# KiCad board H3.kicad_pcb (continued)
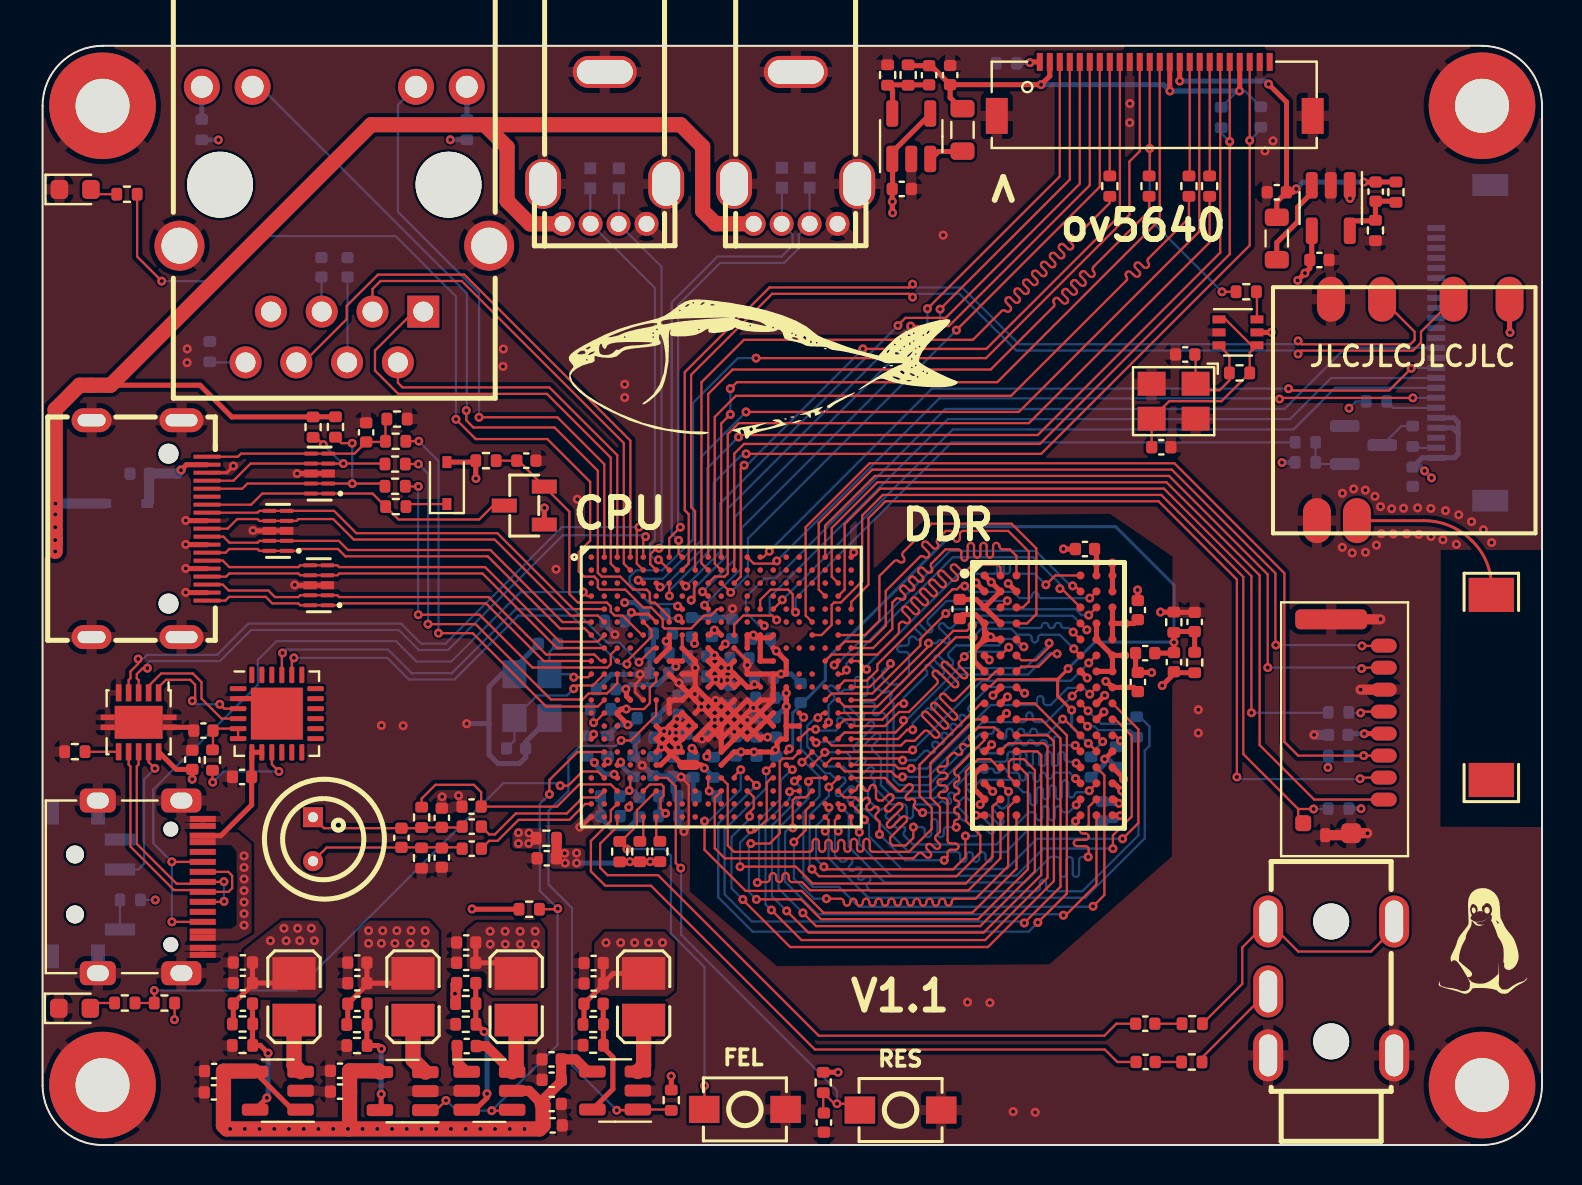
[diagram p0: board, top side]
## Routing (per net, layer and track width the routed paths; a pad name or vN(x,y) marks a point on that pad's centre or on a via; arc(x,y) is an arc through that point) (continued)
  Top w0.114: v1(44.32,25.11) 44.32,24.95 41.63,22.27 U1.M21 ; DU1.D7 v1(52.23,25.78)
  Bottom w0.114: v1(44.32,25.11) 44.7,25.11 44.82,25.22 arc(44.93,25.27) 45.04,25.22 45.1,25.16 arc(45.22,25.12) 45.33,25.16 arc(45.37,25.28) 45.33,25.39 44.88,25.84 arc(44.83,25.95) 44.88,26.07 arc(44.99,26.11) 45.1,26.07 45.27,25.9 arc(45.38,25.85) 45.49,25.9 46.08,26.48 51.53,26.48 v1(52.23,25.78)
/DRAM/SDQ15: length 15.9
  Top w0.114: U1.M19 39.47,22.59 41.5,22.59 43.9,24.99 43.9,25.32 v1(45.18,26.59) ; v1(52.33,26.51) 52.71,26.9 DU1.C8
  Bottom w0.114: v1(52.33,26.51) 51.97,26.51 51.68,26.81 45.39,26.81 v1(45.18,26.59)
/DRAM/SDQM0: length 14.9
  Top w0.114: U1.M20 40.12,21.94 41.76,21.94 43.51,23.68 43.51,23.68 45.55,25.73 46.23,25.73 v1(46.5,26) ; DU1.E7 51.91,25.3 v1(51.55,25.66)
  Bottom w0.114: v1(51.55,25.66) 51.55,25.66 51.34,25.87 51.07,25.87 arc(50.98,25.91) 50.94,26 arc(50.91,26.08) 50.82,26.12 50.75,26.12 arc(50.66,26.08) 50.63,26 arc(50.59,25.91) 50.5,25.87 50.43,25.87 arc(50.35,25.91) 50.31,26 arc(50.27,26.08) 50.19,26.12 50.12,26.12 arc(50.03,26.08) 49.99,26 arc(49.96,25.91) 49.87,25.87 48.88,25.87 48.6,26.15 46.66,26.15 v1(46.5,26)
/DRAM/SDQM1: length 18.9
  Top w0.114: U1.G20 41.14,25.52 41.85,26.23 41.85,28.47 42.59,29.21 arc(42.71,29.26) 42.82,29.21 42.84,29.19 arc(42.95,29.14) 43.07,29.19 arc(43.11,29.3) 43.07,29.41 43.04,29.44 arc(43,29.55) 43.04,29.66 44.47,31.09 48.47,31.09 49.71,29.85 49.71,26.56 49.24,26.1 DU1.D3
/DRAM/SDQS0_N: length 15
  Top w0.114: DU1.G3 48.95,23.94 49.82,23.94 50.46,24.58 v1(50.74,24.58) ; v1(43.52,20.78) 43.24,20.78 42.78,20.32 U1.R21
  Bottom w0.114: 50.72,24.62 50.37,24.62 49.3,23.54 45.95,23.54 44.64,22.23 arc(44.6,22.13) 44.64,22.04 arc(44.68,21.94) 44.64,21.84 44.61,21.81 arc(44.51,21.77) 44.41,21.81 arc(44.33,21.85) 44.25,21.84 43.52,21.12 v1(43.52,20.78)
/DRAM/SDQS0_P: length 14.9
  Top w0.114: DU1.F3 48.95,24.26 49.69,24.26 50.35,24.91 v1(50.35,25.11) ; U1.R20 40.12,20.64 42.66,20.64 43.06,21.05 v1(43.06,21.25)
  Bottom w0.114: v1(50.35,25.11) 50.35,25.05 49.16,23.86 45.82,23.86 43.21,21.25 v1(43.06,21.25)
/DRAM/SDQS1_N: length 15.8
  Top w0.114: DU1.B7 51.63,27.98 v1(51.52,27.98) ; U1.J20 39.6,24.02 v1(39.6,24.02)
  Bottom w0.114: v1(39.6,24.02) 39.69,24.02 45.4,29.73 49.67,29.73 51.42,27.98 v1(51.52,27.98)
/DRAM/SDQS1_P: length 15.9
  Top w0.114: v1(50.88,27.84) 50.97,27.84 DU1.C7 ; v1(40.21,23.77) 40.01,23.57 U1.K20
  Bottom w0.114: v1(40.21,23.77) 40.21,24.09 45.53,29.41 49.54,29.41 50.88,28.07 v1(50.88,27.84)
/DRAM/SODT0: length 23.9
  Top w0.114: DU1.K1 46.6,21.3 44.89,19.59 44.88,19.59 44.41,19.12 44.41,17.38 44.89,16.91 44.89,15.67 44.69,15.48 arc(44.64,15.36) 44.69,15.25 44.85,15.09 arc(44.9,14.97) 44.85,14.86 arc(44.74,14.82) 44.63,14.86 44.47,15.03 arc(44.35,15.07) 44.24,15.03 arc(44.19,14.91) 44.24,14.8 44.41,14.64 arc(44.45,14.53) 44.41,14.41 arc(44.29,14.37) 44.18,14.41 44.02,14.58 arc(43.9,14.62) 43.79,14.58 43.56,14.34 34.12,14.34 33.62,14.85 33.62,17.38 33.95,17.71 U1.W11
/DRAM/SODT1: length 27.3
  Top w0.114: DU1.J1 46.94,22.1 44.48,19.63 44.47,19.63 43.86,19.03 43.86,17.47 44.48,16.86 44.48,15.81 43.33,14.67 41.53,14.67 arc(41.42,14.71) 41.37,14.83 41.37,15.16 arc(41.33,15.27) 41.21,15.32 arc(41.1,15.27) 41.06,15.16 41.06,14.83 arc(41.01,14.71) 40.9,14.67 arc(40.78,14.71) 40.74,14.83 40.74,15.16 arc(40.69,15.27) 40.58,15.32 arc(40.47,15.27) 40.42,15.16 40.42,14.83 arc(40.37,14.71) 40.26,14.67 arc(40.15,14.71) 40.1,14.83 40.1,15.11 arc(40.06,15.22) 39.94,15.27 arc(39.83,15.22) 39.79,15.11 39.79,14.83 arc(39.74,14.71) 39.63,14.67 arc(39.51,14.71) 39.47,14.83 39.47,15.11 arc(39.42,15.22) 39.31,15.27 arc(39.2,15.22) 39.15,15.11 39.15,14.83 arc(39.1,14.71) 38.99,14.67 arc(38.88,14.71) 38.83,14.83 38.83,15.16 arc(38.79,15.27) 38.67,15.32 arc(38.56,15.27) 38.52,15.16 38.52,14.83 arc(38.47,14.71) 38.36,14.67 34.59,14.67 34.27,14.98 34.27,18.04 U1.V11
/DRAM/SRAS: length 37
  Top w0.114: v1(49.78,11.14) 51.23,12.59 51.23,20.5 49.63,22.1 DU1.J3 ; v1(35.71,18) 35.34,18.37 U1.V13
  Bottom w0.114: v1(49.78,11.14) 49.32,10.68 35.52,10.68 33.79,12.4 33.79,16.08 v1(35.71,18)
/DRAM/SRST: length 23.2
  Top w0.114: v1(35.75,13.13) 35.78,13.16 36.21,13.16 arc(36.33,13.2) 36.37,13.32 36.37,13.45 arc(36.42,13.56) 36.53,13.61 arc(36.64,13.56) 36.69,13.45 36.69,13.32 arc(36.74,13.2) 36.85,13.16 arc(36.96,13.2) 37.01,13.32 37.01,13.45 arc(37.05,13.56) 37.17,13.61 arc(37.28,13.56) 37.32,13.45 37.32,13.32 arc(37.37,13.2) 37.48,13.16 37.98,13.16 38.39,12.74 46.31,12.74 47.36,13.79 47.36,13.79 47.91,14.35 DU1.T2 ; v1(37.5,18.78) 37.43,18.78 U1.U16
  Bottom w0.114: v1(35.75,13.13) 35.84,13.22 35.84,16.26 36.92,17.34 36.92,18.24 37.46,18.78 v1(37.5,18.78)
/DRAM/SVREF: length 48.7
  Top w0.114: DU1.M8 52.32,20.09 v1(52.31,20.09) ; U1.T16 37.2,19.67 v1(37.35,19.82) ; 49.88,23.3 49.88,23.3 47.76,23.3 47.42,22.96 47.17,22.96 DU1.H1
  Top w0.152: 50.77,23.3 49.88,23.3 ; 50.77,23.3 51.29,23.82 v1(51.29,23.83) ; 50.77,23.3 50.77,22.47 v1(51.47,21.77)
  Top w0.254: C2.1 56.56,24.61 C5.2 v1(56.59,25.15) 56.59,25.64 R6.1 56.63,25.69 C6.1 R5.2
  Bottom w0.114: 37.92,22.02 37.84,21.95
  Bottom w0.152: v1(51.47,21.77) 51.47,20.93 v1(52.31,20.09) ; v1(51.29,23.84) 52.62,25.16 56.58,25.16 v1(56.59,25.15) 56.59,28.03 53.67,30.94 45.86,30.94 40.21,25.29 40.2,25.29 39.16,24.25 39.16,23.26 37.52,21.63 37.52,20 37.35,19.82 v1(37.35,19.82)
/DRAM/SWE: length 33.2
  Top w0.114: v1(35.03,12.29) 35.03,12.27 37.39,9.91 47.28,9.91 50.59,13.21 50.59,20.19 50.28,20.5 DU1.L3 ; U1.W13 35.27,17.72 35.57,17.42 35.57,16.86 35.36,16.65 v1(35.36,16.44)
  Bottom w0.114: v1(35.36,16.44) 35.36,16.31 34.46,15.41 34.46,12.85 v1(35.03,12.29)
/PER/CP_D+: length 5.7
  Top w0.114: U6.1 5.8,22.91 6.17,23.28 7.38,23.28 7.63,23.03 7.63,22.37 v1(7.49,22.22) ; U10.3 9.08,21.84 v1(8.86,22.05)
  Bottom w0.114: v1(8.86,22.05) 7.65,22.05 v1(7.49,22.22)
/PER/CP_D-: length 6.5
  Top w0.114: U10.4 8.95,21.34 7.95,22.34 7.95,23.16 7.52,23.59 5.93,23.59 5.3,22.97 U6.2
/PER/D+: length 11.9
  Top w0.114: v1(9.07,13.18) 9.06,13.17 U7.A6 7.92,13.08 6.7,13.08 4.71,15.07 4.71,18.95 4.8,19.04 U6.8 ; v1(9.08,12.19) 9.05,12.17 U7.B6
  Bottom w0.114: v1(9.07,13.18) 9.07,12.2 v1(9.08,12.19)
/PER/D-: length 13.1
  Top w0.114: U6.7 4.3,19.04 4.39,18.95 4.39,14.93 6.57,12.76 7.92,12.76 U7.A7 9.3,12.67 9.48,12.85 9.48,13.47 9.29,13.67 U7.B7
/PER/TFT_IM: length 2.6
  Bottom w0.114: F2.19 67.55,36.89 4.7K1.1
/PER/TFT_LEDK: length 1.2
  Bottom w0.114: R50.2 68.6,34.89 F2.23
/PER/USB_SWITCH: length 7.3
  Top w0.114: U6.9 5.3,19.16 v1(5.62,18.85)
  Bottom w0.114: SW2.2 4.79,13.79 5.07,14.07 5.07,18.3 v1(5.62,18.85)
CSI-RESET#: length 47
  Top w0.114: U1.C6 30.69,28.11 v1(30.89,27.92) ; v1(34.81,35.42) 34.91,35.53 49.78,35.53 58.91,44.65 58.91,54.17 F1.19
  Bottom w0.114: v1(30.89,27.92) 31.09,27.92 33.26,30.09 33.26,33.87 v1(34.81,35.42)
CSI-STBY-EN: length 46.6
  Top w0.114: F1.17 57.86,54.17 57.86,45.71 48.83,36.68 v1(35.19,36.68) ; U1.C5 29.9,28.26 v1(29.79,28.26)
  Bottom w0.114: v1(29.79,28.26) 29.86,28.33 31.03,28.33 32.94,30.24 32.94,34.43 v1(35.19,36.68)
CSI_D0: length 37.3
  Top w0.114: v1(43.42,40.98) 45.33,40.98 52.38,48.02 F1.6 ; v1(32.44,27.26) 32.6,27.42 32.6,28.07 U1.C9
  Bottom w0.114: v1(32.44,27.26) 32.56,27.38 32.56,27.82 34.25,29.51 34.25,31.81 43.41,40.98 v1(43.42,40.98)
CSI_D1: length 35
  Top w0.114: v1(44.89,41.82) 51.38,48.31 F1.4 ; v1(33.11,27.01) 33.11,27 U1.E10
  Bottom w0.114: v1(44.89,41.82) 44.89,40.8 34.96,30.87 34.96,28.86 v1(33.11,27.01)
CSI_D2: length 34.2
  Top w0.114: F1.3 50.88,48.47 v1(44.26,41.85) ; U1.D10 33.08,27.68
  Bottom w0.114: v1(33.01,27.68) 34.62,29.29 34.62,31.41 44.26,41.05 v1(44.26,41.85)
CSI_D3: length 35.8
  Top w0.114: v1(32.18,27.96) 32.15,27.96 U1.C8 ; v1(42.78,41) 42.78,41.01 43.16,41.39 45.17,41.39 51.88,48.1 F1.5
  Bottom w0.114: v1(32.18,27.96) 33.89,29.67 33.89,32.11 v1(42.78,41)
CSI_D4: length 34.9
  Top w0.114: U1.C11 34.41,27.65 v1(34.42,27.65) ; v1(45.71,40.77) 52.88,47.95 F1.7
  Bottom w0.114: v1(45.71,40.77) 35.28,30.35 35.28,28.51 v1(34.42,27.65)
CSI_D5: length 37.8
  Top w0.114: v1(35.09,34.01) 34.92,33.85 34.92,28.44 U1.C12 ; F1.9 53.89,54.19 53.89,46.52 47.2,39.84 v1(41.03,39.84)
  Bottom w0.114: v1(35.09,34.01) 35.22,34.01 41.03,39.82 v1(41.03,39.84)
CSI_D6: length 47.9
  Top w0.114: v1(31.77,26.96) 31.85,26.96 U1.E8 ; F1.11 54.88,49.73 54.36,49.21 54.36,46.55 47.19,39.37 v1(35.69,39.37)
  Bottom w0.114: v1(35.69,39.37) 34.77,39.37 32.54,37.14 32.54,30.3 31,28.76 29.69,28.76 29.36,28.43 29.36,28.11 30.41,27.07 31.67,27.07 v1(31.77,26.96)
CSI_D7: length 41.5
  Top w0.114: U1.A11 33.95,36.1 v1(34.4,36.56) ; v1(34.4,37.84) 34.73,38.17 47.75,38.17 55.88,46.3 F1.13
  Bottom w0.114: v1(34.4,36.56) 34.4,36.56 v1(34.4,37.84)
CSI_HSYNC: length 38.4
  Top w0.114: R57.1 57.34,46.39 55.3,44.35 arc(55.26,44.25) 55.3,44.15 arc(55.34,44.05) 55.3,43.95 55.28,43.93 arc(55.18,43.88) 55.08,43.93 54.88,44.13 arc(54.78,44.17) 54.68,44.13 54.66,44.11 arc(54.62,44) 54.66,43.9 54.86,43.7 arc(54.9,43.6) 54.86,43.5 54.84,43.48 arc(54.74,43.44) 54.64,43.48 54.54,43.58 54.53,43.58 54.43,43.68 arc(54.33,43.72) 54.23,43.68 54.21,43.65 arc(54.16,43.55) 54.21,43.45 arc(54.25,43.35) 54.21,43.25 48.44,37.49 34.67,37.49 33.62,36.43 33.62,29.09 U1.B11
CSI_MCLK: length 38.4
  Top w0.114: R52.1 55.35,46.73 52.56,43.94 arc(52.52,43.83) 52.56,43.72 52.58,43.7 arc(52.63,43.59) 52.58,43.48 arc(52.47,43.43) 52.36,43.48 52.14,43.7 arc(52.06,43.73) 51.97,43.7 51.92,43.65 arc(51.88,43.56) 51.92,43.47 52.14,43.26 arc(52.18,43.14) 52.14,43.03 arc(52.03,42.99) 51.92,43.03 51.7,43.25 arc(51.61,43.29) 51.53,43.25 51.48,43.2 arc(51.44,43.11) 51.48,43.03 51.69,42.81 arc(51.74,42.7) 51.69,42.59 arc(51.58,42.54) 51.47,42.59 51.25,42.81 arc(51.17,42.84) 51.08,42.81 51.03,42.76 arc(51,42.67) 51.03,42.58 51.25,42.37 arc(51.3,42.26) 51.25,42.14 arc(51.14,42.1) 51.03,42.14 50.9,42.28 50.89,42.27 50.81,42.36 arc(50.72,42.4) 50.63,42.36 50.58,42.31 arc(50.55,42.22) 50.58,42.14 arc(50.62,42.05) 50.58,41.97 47.42,38.8 34.51,38.8 33.3,37.59 U1.A10
CSI_PCLK: length 41.6
  Top w0.114: U1.B10 32.96,29.11 32.96,38.17 35.08,40.29 46.53,40.29 47.97,41.73 arc(48.07,41.77) 48.18,41.73 arc(48.28,41.69) 48.38,41.73 48.4,41.75 arc(48.44,41.85) 48.4,41.95 48.3,42.05 48.3,42.06 48.2,42.16 arc(48.15,42.26) 48.2,42.37 48.21,42.38 arc(48.32,42.43) 48.42,42.38 48.62,42.18 arc(48.73,42.13) 48.83,42.18 48.85,42.19 arc(48.89,42.3) 48.85,42.4 48.64,42.61 arc(48.6,42.71) 48.64,42.81 48.66,42.83 arc(48.76,42.87) 48.86,42.83 49.07,42.62 arc(49.17,42.58) 49.27,42.62 49.29,42.64 arc(49.33,42.74) 49.29,42.84 49.09,43.05 arc(49.04,43.15) 49.09,43.25 49.1,43.27 arc(49.21,43.31) 49.31,43.27 49.51,43.07 arc(49.62,43.02) 49.72,43.07 49.74,43.08 arc(49.78,43.19) 49.74,43.29 49.53,43.49 arc(49.49,43.6) 49.53,43.7 49.55,43.72 arc(49.65,43.76) 49.75,43.72 49.96,43.51 arc(50.06,43.47) 50.16,43.51 50.18,43.53 arc(50.22,43.63) 50.18,43.73 49.98,43.94 arc(49.93,44.04) 49.98,44.14 49.99,44.16 arc(50.09,44.2) 50.2,44.16 50.4,43.96 arc(50.51,43.91) 50.61,43.96 50.63,43.97 arc(50.67,44.07) 50.63,44.18 50.42,44.38 arc(50.38,44.49) 50.42,44.59 50.44,44.61 arc(50.54,44.65) 50.64,44.61 50.85,44.4 arc(50.95,44.36) 51.05,44.4 51.07,44.42 arc(51.11,44.52) 51.07,44.62 50.86,44.83 arc(50.82,44.93) 50.86,45.03 50.88,45.05 arc(50.98,45.09) 51.09,45.05 51.29,44.84 arc(51.39,44.8) 51.5,44.84 51.51,44.86 arc(51.56,44.96) 51.51,45.07 51.31,45.27 arc(51.27,45.37) 51.31,45.48 51.33,45.49 arc(51.43,45.54) 51.53,45.49 51.74,45.29 arc(51.84,45.25) 51.94,45.29 51.96,45.31 arc(52,45.41) 51.96,45.51 arc(51.92,45.61) 51.96,45.72 53.38,47.14 R53.1
CSI_SCK: length 45.2
  Top w0.114: F1.20 v1(59.38,50.21) 59.38,44.58 49.88,35.08 35.08,35.08 34.6,34.59 U1.B12
  Bottom w0.114: v1(59.38,50.21) 58.95,50.63 R55.2
CSI_SDA: length 49
  Top w0.114: v1(31.35,27.48) 31.34,27.48 U1.C7 ; F1.22 v1(60.38,50.26) 60.38,45.02 49.95,34.58 v1(35.19,34.58)
  Bottom w0.114: v1(35.19,34.58) 35.08,34.48 34.91,34.48 33.57,33.14 33.57,29.96 31.35,27.74 v1(31.35,27.48) ; R54.2 60.93,50.81 v1(60.38,50.26)
CSI_VSYNC: length 38.5
  Top w0.114: R56.1 58.37,45.16 49.33,36.12 34.82,36.12 34.27,35.57 34.27,28.59 34.12,28.44 33.62,28.44 U1.C10
EPHY_LINK_LED: length 30.5
  Top w0.114: U1.A2 28.1,34.07 25.75,36.41 v1(21.83,36.41)
  Bottom w0.114: J2.10 17.78,52.05 17.78,46.68 21.83,42.63 v1(21.83,36.41)
EPHY_RXN: length 28.2
  Top w0.114: U1.A4 29.4,29.68 29.4,29.68 29.4,35.25 21.09,43.55 16.77,43.55 15.21,41.99 15.21,41.32 13.05,39.16 J2.6
EPHY_RXP: length 23.7
  Top w0.114: U1.B4 29.07,29.09 29.07,35.13 20.96,43.23 16.9,43.23 16.5,42.83 J2.3
EPHY_SPD_LED: length 39.1
  Top w0.114: 21.2,36.75 21.2,36.26 21.55,35.9 25.61,35.9 27.77,33.74 27.77,28.63 27.97,28.44 28.9,28.44 29.55,27.79 30.21,27.79 30.37,27.63 30.37,27.22 30.46,27.14 30.63,27.14 31.03,26.73 31.03,26.73 31.34,26.42 U1.F7
  Bottom w0.114: J2.11 10.89,52.95 21.22,42.63 21.22,36.78 v1(21.19,36.75)
EPHY_TXN: length 18.6
  Top w0.114: U1.A3 28.75,34.51 25.35,37.91 18,37.91 17.77,38.14 J2.2
EPHY_TXP: length 23.6
  Top w0.114: J2.1 18.58,41.7 16.63,39.75 16.63,38.75 17.79,37.59 21.21,37.59 21.21,37.58 25.23,37.58 28.42,34.39 28.42,29.09 28.74,28.77 U1.B3
GPIOA20: length 38.1
  Top w0.114: v1(61.87,37.33) 61.92,37.38 v1(68.54,37.38) ; v1(36.72,29.23) 36.59,29.09 35.57,29.09 U1.A13
  Bottom w0.114: v1(36.72,29.23) 44.86,37.36 61.84,37.36 v1(61.87,37.33) ; v1(68.54,37.38) 68.54,37.39 F2.18
GPIOA21: length 37.8
  Top w0.114: U1.A14 36.05,29.42 v1(36.35,29.71) ; v1(68.46,38.86) 67.35,37.75 62.41,37.75 v1(62.32,37.84)
  Bottom w0.114: v1(62.32,37.84) 62.32,37.84 44.48,37.84 v1(36.35,29.71) ; F2.15 69.71,38.89 68.49,38.89 v1(68.46,38.86)
HCEC: length 13.5
  Top w0.114: U1.G5 29.98,25.52 29.01,26.49 28.61,26.49 28.42,26.68 28.42,26.95 28.23,27.14 26.77,27.14 26.35,27.57 26.35,31.69 Q2.2 23.8,34.24 C89.1 R62.2
HHPD: length 20.6
  Top w0.114: R63.1 18.18,35.22 v1(18.82,35.22) ; U1.M2 27.77,21.94 25.19,21.94 21.52,25.61 v1(19.8,25.61)
  Bottom w0.114: v1(18.82,35.22) 19.8,34.24 19.8,25.61 v1(19.8,25.61)
HSCL: length 18.8
  Top w0.114: R64.1 18.15,32.95 v1(18.8,32.95) ; v1(18.79,26.54) 21.86,26.54 24.5,23.89 28.25,23.89 28.42,24.07 28.42,24.54 U1.H3
  Bottom w0.114: v1(18.8,32.95) 18.79,32.94 18.79,26.54 v1(18.79,26.54)
HSDA: length 20.7
  Top w0.114: U1.K3 28.75,23.11 28.23,22.59 27.32,22.59 27.01,22.29 25.43,22.29 21.66,26.06 v1(19.28,26.06) ; R65.1 v1(18.8,34.07)
  Bottom w0.114: v1(18.8,34.07) 19.28,33.59 19.28,26.07 v1(19.28,26.06)
HTX0N: length 21.1
  Top w0.114: HDMI1.9 9.04,30.44 9.35,30.14 10.75,30.14 10.84,30.23 D5.9 D5.2 14.82,30.23 15.27,29.77 22.4,29.77 26,26.17 U1.F1
HTX0P: length 21.2
  Top w0.114: U1.G1 27.12,25.84 25.88,25.84 22.27,29.46 15.14,29.46 14.78,29.82 12.8,29.82 12.71,29.73 D5.1 D5.10 10.84,29.73 10.75,29.82 9.34,29.82 9.16,29.64 HDMI1.7
HTX1N: length 21.8
  Top w0.114: HDMI1.6 9.01,29.24 9.34,28.92 12.79,28.92 12.88,29.01 D4.6 D4.5 14.75,29.01 14.84,28.92 22.13,28.92 25.87,25.19 27.77,25.19 28.1,25.51 U1.G2
HTX1P: length 21.6
  Top w0.114: HDMI1.4 9.18,28.44 9.34,28.6 12.79,28.6 12.88,28.51 D4.7 D4.4 14.75,28.51 14.84,28.6 22,28.6 25.73,24.87 25.81,24.87 25.81,24.87 U1.H2
HTX2N: length 21.5
  Top w0.114: U1.J2 27.93,24.22 27.6,24.54 25.19,24.54 24.21,25.52 24.21,25.52 23.86,25.87 23.86,25.87 22.31,27.42 14.84,27.42 14.75,27.51 D4.2 D4.9 12.88,27.51 12.79,27.42 11.62,27.42 11.3,27.74 9.31,27.74 9.01,28.04 HDMI1.3
HTX2P: length 20.7
  Top w0.114: HDMI1.1 9.14,27.24 9.33,27.43 11.16,27.43 11.49,27.1 12.79,27.1 12.88,27.01 D4.10 D4.1 14.75,27.01 14.84,27.1 22.18,27.1 24.46,24.82 24.46,24.82 25.06,24.22 U1.J1
HTXCN: length 21.9
  Top w0.114: U1.E2 26.54,26.82 22.75,30.61 15.7,30.61 14.58,31.73 D5.5 D5.6 10.84,31.73 10.76,31.64 HDMI1.12
HTXCP: length 22.3
  Top w0.114: HDMI1.10 9.25,30.84 9.73,31.32 10.76,31.32 10.84,31.23 D5.7 D5.4 12.71,31.23 12.8,31.32 14.54,31.32 15.56,30.3 22.62,30.3 26.42,26.49 26.68,26.49 26.69,26.49 27.77,26.49 U1.F2
LINEOUTL: length 33.4
  Top w0.114: C62.1 53.71,6.07 53.11,5.47 38.82,5.47 30.79,13.5 28.26,13.5 27.89,13.87 27.89,15.08 28.75,15.94 U1.AA3
LINEOUTR: length 35.1
  Top w0.114: U1.Y3 28.42,16.74 28.42,16.21 27.43,15.22 27.43,13.7 28.15,12.97 30.43,12.97 38.63,4.78 53.13,4.78 53.76,4.16 C63.1
MBIAS: length 12
  Top w0.114: R45.1 18.96,17.33 19.65,18.02 21.57,18.02 21.94,17.66 C75.1 21.94,16.93 25.73,16.93 26.84,18.04 28.42,18.04 U1.W3
MICIN1N: length 6.4
  Top w0.114: C74.1 22.34,15.22 22.76,15.22 23.81,16.27 26.35,16.27 27.15,17.07 U1.Y1
MICIN1P: length 7.2
  Top w0.114: C73.1 22.34,15.54 22.62,15.54 23.67,16.59 26.22,16.59 27.02,17.39 27.77,17.39 U1.W2
PWM1: length 32.3
  Top w0.114: U1.E14 35.9,27.27 36.41,27.79 37.29,27.79 37.52,27.56 37.52,26.8 v1(37.66,26.66)
  Bottom w0.114: v1(37.66,26.66) 37.66,27.36 45.47,35.16 R48.1
PWR_DRAM: length 28.1
  Top w0.114: U1.M6 30.69,22.27 30.69,21.51 30.07,20.89 30.07,20.88 29.43,20.24 v1(28.94,20.24) ; 31.3,1.75 31.27,1.78 U3.1 29.74,1.74 v1(28.72,1.74)
  Bottom w0.114: v1(28.72,1.74) 26.48,3.98 26.48,11.86 25.31,13.03 25.31,16.73 26.3,17.72 26.3,19.37 26.9,19.97 28.66,19.97 v1(28.94,20.24)
PWR_LED: length 28.9
  Top w0.114: v1(5.59,7.73) 5.59,7.73 R30.1 5.58,7.11 R35.1 ; U1.V2 27.77,18.69 27,18.69 26.29,17.98 v1(25.89,17.98)
  Bottom w0.114: v1(5.59,7.73) 12.67,7.73 23.04,18.1 25.77,18.1 v1(25.89,17.98)
PWR_STB: length 27.5
  Top w0.114: U1.T2 26.75,19.67 25.35,18.26 v1(25.35,17.55) ; v1(20.18,2.23) 19.69,1.75 U4.1 ; R23.2 25.74,11.8 v1(25.77,11.83) ; U5.4 23.44,1.72 v1(22.47,1.72)
  Bottom w0.114: v1(25.35,17.55) 24.87,17.07 24.87,12.73 v1(25.77,11.83) 25.76,11.82 25.76,5.02 v1(22.47,1.72) 20.71,1.72 20.2,2.23 v1(20.18,2.23)
REST: length 23.6
  Top w0.114: C67.1 39.05,1.64 R32.2 39.6,2.07 v1(39.74,2.07) 40.57,2.07 SW1.1 ; v1(31.92,13.86) 31.67,14.11 31.67,17.94 31.25,18.37 U1.V6
  Bottom w0.114: v1(39.74,2.07) 39.74,2.72 31.94,10.52 31.94,13.84 v1(31.92,13.86)
SDC0_CD: length 43.8
  Top w0.114: U1.G18 38.96,25.52 39.47,26.02 39.47,27.03 39.59,27.14 39.93,27.14 40.99,28.21 40.99,31.5 42.02,32.53 55.96,32.53 60.06,28.42 60.06,19.56 62.8,16.81 ; 62.8,16.81 v1(63.57,16.81) ; 62.8,16.81 62.8,16.35 U9.9
  Bottom w0.114: R43.2 64.29,16.81 v1(63.57,16.81)
SDC0_CLK: length 37.3
  Top w0.114: v1(60.47,21.63) 60.47,21.63 60.47,28.47 56.09,32.84 41.89,32.84 40.12,31.07 40.12,27.79 U1.D20
  Bottom w0.114: 64.29,21.63 60.47,21.63 v1(60.47,21.63)
SDC0_CMD: length 46.8
  Top w0.114: U1.F18 38.17,26.5 38.17,30.91 41.37,34.11 56.61,34.11 62.11,28.61 62.11,20.18 62.8,19.49 v1(66.08,19.49) U9.3
  Bottom w0.114: 65.39,19.46 66.05,19.46 v1(66.08,19.49)
SDC0_D0: length 37.3
  Top w0.114: v1(65.98,23.84) 66.02,23.89 U9.7 ; U1.A19 39.15,30.99 41.63,33.48 56.35,33.48 61.28,28.55 61.28,23.89 v1(61.28,23.89)
  Bottom w0.114: v1(65.98,23.84) 65.93,23.89 v1(61.28,23.89)
SDC0_D1: length 38.9
  Top w0.114: U1.D19 38.82,27.79 38.82,31.12 38.83,31.13 41.5,33.8 56.48,33.8 61.66,28.61 61.66,25.04 v1(61.69,25.02) ; v1(65.99,24.97) 67.08,24.97 U9.8
  Bottom w0.114: v1(65.99,24.97) 65.95,25.02 v1(61.69,25.02)
SDC0_D2: length 43
  Top w0.114: U9.1 63.6,17.29 60.88,20.01 60.88,28.5 56.22,33.16 41.76,33.16 39.47,30.87 39.47,28.44 U1.C20
SDC0_D3: length 42.6
  Top w0.114: U9.2 65.96,18.39 v1(65.9,18.33) ; U1.E21 40.45,27.18 41.31,28.04 41.31,31.36 42.16,32.21 55.82,32.21 59.74,28.3 v1(59.74,18.41)
  Bottom w0.114: v1(59.74,18.41) 59.84,18.31 65.88,18.31 v1(65.9,18.33)
STATUS-LED: length 49.8
  Top w0.114: v1(5.96,43.23) 4.73,44.46 R36.1 ; U1.E11 33.75,26.82 33.62,26.68 33.43,26.49 33.09,26.49 32.44,25.84 31.11,25.84 31.02,25.93 31.02,26.32 30.44,26.9 30.04,26.9 29.15,27.79 27.88,27.79 27.77,27.9 27.77,28.26 27.6,28.43 27.59,28.43 27.59,28.44 27.08,28.44 26.82,28.71 26.82,29.67 27.39,30.24 27.39,33.18 25.25,35.32 21.67,35.32 20.68,36.31 v1(20.68,36.31)
  Bottom w0.114: v1(5.96,43.23) 5.97,43.22 8.59,43.22 10.85,45.48 17.65,45.48 20.68,42.45 v1(20.68,36.31)
UART0_RX: length 23.1
  Top w0.114: U10.21 11.97,24.58 v1(12,24.62) ; v1(29.83,24.16) 30.54,24.87 U1.H6
  Bottom w0.114: v1(29.83,24.16) 28.85,25.14 28.24,25.14 26.58,26.81 24.36,26.81 23.66,26.81 20.47,23.61 18.45,23.61 17.27,24.8 12.18,24.8 v1(12,24.62)
UART0_TX: length 23.1
  Top w0.114: U1.F5 30.05,26.17 30.45,25.77 30.45,25.43 29.23,24.2 v1(29.23,24.06) ; U10.20 12.47,24.27 v1(12.57,24.38)
  Bottom w0.114: v1(29.23,24.06) 28.87,24.06 26.44,26.49 23.8,26.49 20.6,23.29 18.32,23.29 17.24,24.38 v1(12.57,24.38)
UART3_RTS/SPI1_MOSI: length 41.9
  Top w0.114: v1(36.1,25.98) 36.08,25.98 U1.F14
  Bottom w0.114: v1(36.1,25.98) 35.86,25.98 35.18,26.66 35.18,27.42 36.11,28.35 36.68,28.35 45.16,36.83 62.11,36.83 65.17,39.89 69.71,39.89 F2.13
UART3_RX/SPI1_CLK: length 42.1
  Top w0.114: U1.G12 34.6,26.04 35.05,26.49 36.5,26.49 v1(36.71,26.27)
  Bottom w0.114: F2.16 69.7,38.38 64.45,38.38 62.39,36.32 45.28,36.32 36.37,27.41 36.37,26.62 v1(36.71,26.27)
UART3_TX/SPI1_CS: length 37.8
  Top w0.114: U1.E15 37,27.27 v1(37,27.28)
  Bottom w0.114: v1(37,27.28) 45.53,35.81 62.57,35.81 64.65,37.89 69.71,37.89 F2.17
UBOOT: length 19.5
  Top w0.114: SW3.1 33.11,1.8 v1(33.11,2.97) ; R31.2 29.23,14.83 v1(29.23,14.81) ; U1.W6 29.72,16.75 29.72,15.98 28.92,15.18
  Bottom w0.114: v1(33.11,2.97) 33.11,8.9 31.43,10.58 31.43,14.47 31.09,14.81 v1(29.23,14.81)
USB0_ID: length 37.8
  Top w0.114: U7.B5 6.47,11.17 v1(6.47,11.17) ; U1.D1 27.25,27.47 v1(27.04,27.67) ; U7.A5 6.47,14.17 v1(6.47,14.17)
  Bottom w0.114: v1(6.47,11.17) 6.47,11.17 v1(6.47,14.17) 5.54,15.1 5.54,17.79 6.32,18.58 6.32,18.58 10.77,23.03 10.77,24.28 11.71,25.22 17.68,25.22 18.7,24.19 20.44,24.19 23.92,27.67 v1(27.04,27.67)
USB_0N: length 32.8
  Top w0.114: v1(29.83,30.92) 29.72,30.81 29.72,29.09 U1.B5 ; U6.4 4.3,23.26 4.39,23.35 4.39,23.7 4.78,24.08 v1(4.78,24.32)
  Bottom w0.114: v1(29.83,30.92) 25.99,30.92 20.15,25.09 18.95,25.09 17.95,26.09 10.3,26.09 8.74,24.53 5.23,24.53 5.02,24.32 v1(4.78,24.32)
USB_0P: length 31.4
  Top w0.114: v1(5.24,23.86) 5.01,23.86 4.71,23.57 4.71,23.35 4.8,23.26 U6.3 ; v1(30.16,30.45) 30.05,30.33 U1.A5
  Bottom w0.114: v1(5.24,23.86) 5.24,24.1 5.36,24.21 8.88,24.21 10.43,25.77 17.81,25.77 18.81,24.77 20.28,24.77 26.02,30.51 30.1,30.51 v1(30.16,30.45)
USB_1N: length 21.1
  Top w0.114: v1(30.81,29.28) 30.83,29.28 U1.B7
  Bottom w0.114: D11.2 27.4,46.11 USB2.2 30.63,42.87 30.63,30.28 30.38,30.03 30.38,29.55 30.64,29.28 v1(30.81,29.28)
USB_1P: length 20.4
  Top w0.114: v1(30.84,29.86) 30.74,29.77 30.6,29.77 30.4,29.56 30.4,29.07 U1.B6
  Bottom w0.114: v1(30.84,29.86) 30.84,29.98 30.96,30.1 30.96,43.94 USB2.3 28.82,46.1 D10.2
USB_2N: length 23.3
  Top w0.114: U1.A8 31.82,29.6 v1(31.82,30.25)
  Bottom w0.114: D7.2 36.98,46.1 USB1.2 37.51,45.55 37.51,45 36.97,44.46 33.77,44.46 31.47,42.16 31.47,30.6 v1(31.82,30.25)
USB_2P: length 23.4
  Top w0.114: v1(31.9,30.91) 31.34,30.36 U1.A7
  Bottom w0.114: v1(31.9,30.91) 31.9,31.02 31.79,31.13 31.79,42.03 33.9,44.14 37.1,44.14 37.82,44.87 37.82,45.55 USB1.3 38.37,46.1 D9.2
USB_3N: length 52.5
  Top w0.114: v1(43.52,42.42) 43.35,42.59 36.49,42.59 32.44,38.54 32.44,31.91 32.64,31.72 32.64,28.78 U1.B9 ; v1(62.8,39.58) 62.96,39.75 68.55,39.75 68.95,40.15 68.95,40.69 U14.3
  Bottom w0.114: v1(43.52,42.42) 43.68,42.59 45.87,42.59 48.71,39.75 62.63,39.75 v1(62.8,39.58)
USB_3P: length 52.6
  Top w0.114: U14.2 68.63,40.69 68.63,40.28 68.42,40.07 62.96,40.07 v1(62.8,40.24) ; U1.B8 32.31,29.09 32.31,29.28 32.32,29.28 32.32,31.57 32.12,31.76 32.12,38.67 36.36,42.91 43.35,42.91 v1(43.52,43.08)
  Bottom w0.114: v1(43.52,43.08) 43.68,42.91 46,42.91 48.84,40.07 62.63,40.07 v1(62.8,40.24)
X24MI: length 7.1
  Top w0.114: v1(26.57,22.83) 26.73,22.99 27.52,22.99 U1.K2
  Bottom w0.114: v1(26.57,22.83) 26.23,22.5 24.74,22.5 Y1.1 23.6,20.24 C33.1
X24MO: length 3.9
  Top w0.114: v1(26.57,23.41) 27.29,23.41 U1.K1
  Bottom w0.114: C39.1 25.35,24.67 Y1.3 26.41,23.56 v1(26.57,23.41)
Net-(A1-Pad2): length 9
  Top w0.147: U14.5 69.09,31.24 arc(70.38,30.98) 71.48,30.25 71.55,30.18 arc(72.23,29.16) 72.47,27.96 A1.2
Net-(C28-Pad2): length 0.8
  Top w0.114: v1(29.32,16.9) 29.4,16.98 U1.Y4
  Bottom w0.114: v1(29.32,16.9) 29.32,16.89 C28.2
Net-(C29-Pad2): length 4.5
  Top w0.114: U1.W5 30.37,18.04 30.95,18.04 31.06,17.93 31.06,17.48 30.91,17.33 30.91,16.84 v1(31.16,16.6)
  Bottom w0.114: 30.81,17.51 30.81,16.48 R14.2 31.02,16.46 v1(31.16,16.6) ; 31.08,16.52 30.8,16.52
Net-(C30-Pad2): length 1.8
  Top w0.114: v1(29.35,17.74) 29.4,17.79 U1.V4
  Bottom w0.114: 29.86,17.55 29.67,17.74 v1(29.35,17.74) 29.06,17.45 C30.2
Net-(C34-Pad1): length 0.8
  Top w0.25: v1(34.15,25.07) 34.15,25.07 U1.H11
  Bottom w0.25: v1(34.15,25.07) 34.22,25.07 C34.1
Net-(C45-Pad1): length 6.1
  Top w0.254: v1(11.28,4.6) 10.89,4.99 R20.1 10.5,5 C45.1 ; U2.5 11.22,2.36 v1(11.22,2.36)
  Bottom w0.254: v1(11.22,2.36) 11.28,2.42 v1(11.28,4.6)
Net-(C46-Pad1): length 5.9
  Top w0.254: C46.1 28.04,6.05 R21.2 R22.1 28.05,4.87 28.53,4.4 28.53,2.8 U3.5
Net-(C53-Pad2): length 7.4
  Top w0.254: C53.2 21.67,6.05 R25.1 21.72,6.04 v1(22.09,5.67) ; 21.64,1.76 22.23,2.36 v1(22.23,2.57) ; U5.3 21.75,1.76
  Bottom w0.254: v1(22.09,5.67) 22.24,5.52 22.24,2.57 v1(22.23,2.57)
